# Altium PCB Archimajor.PcbDoc (part 10 of 12) (continued)
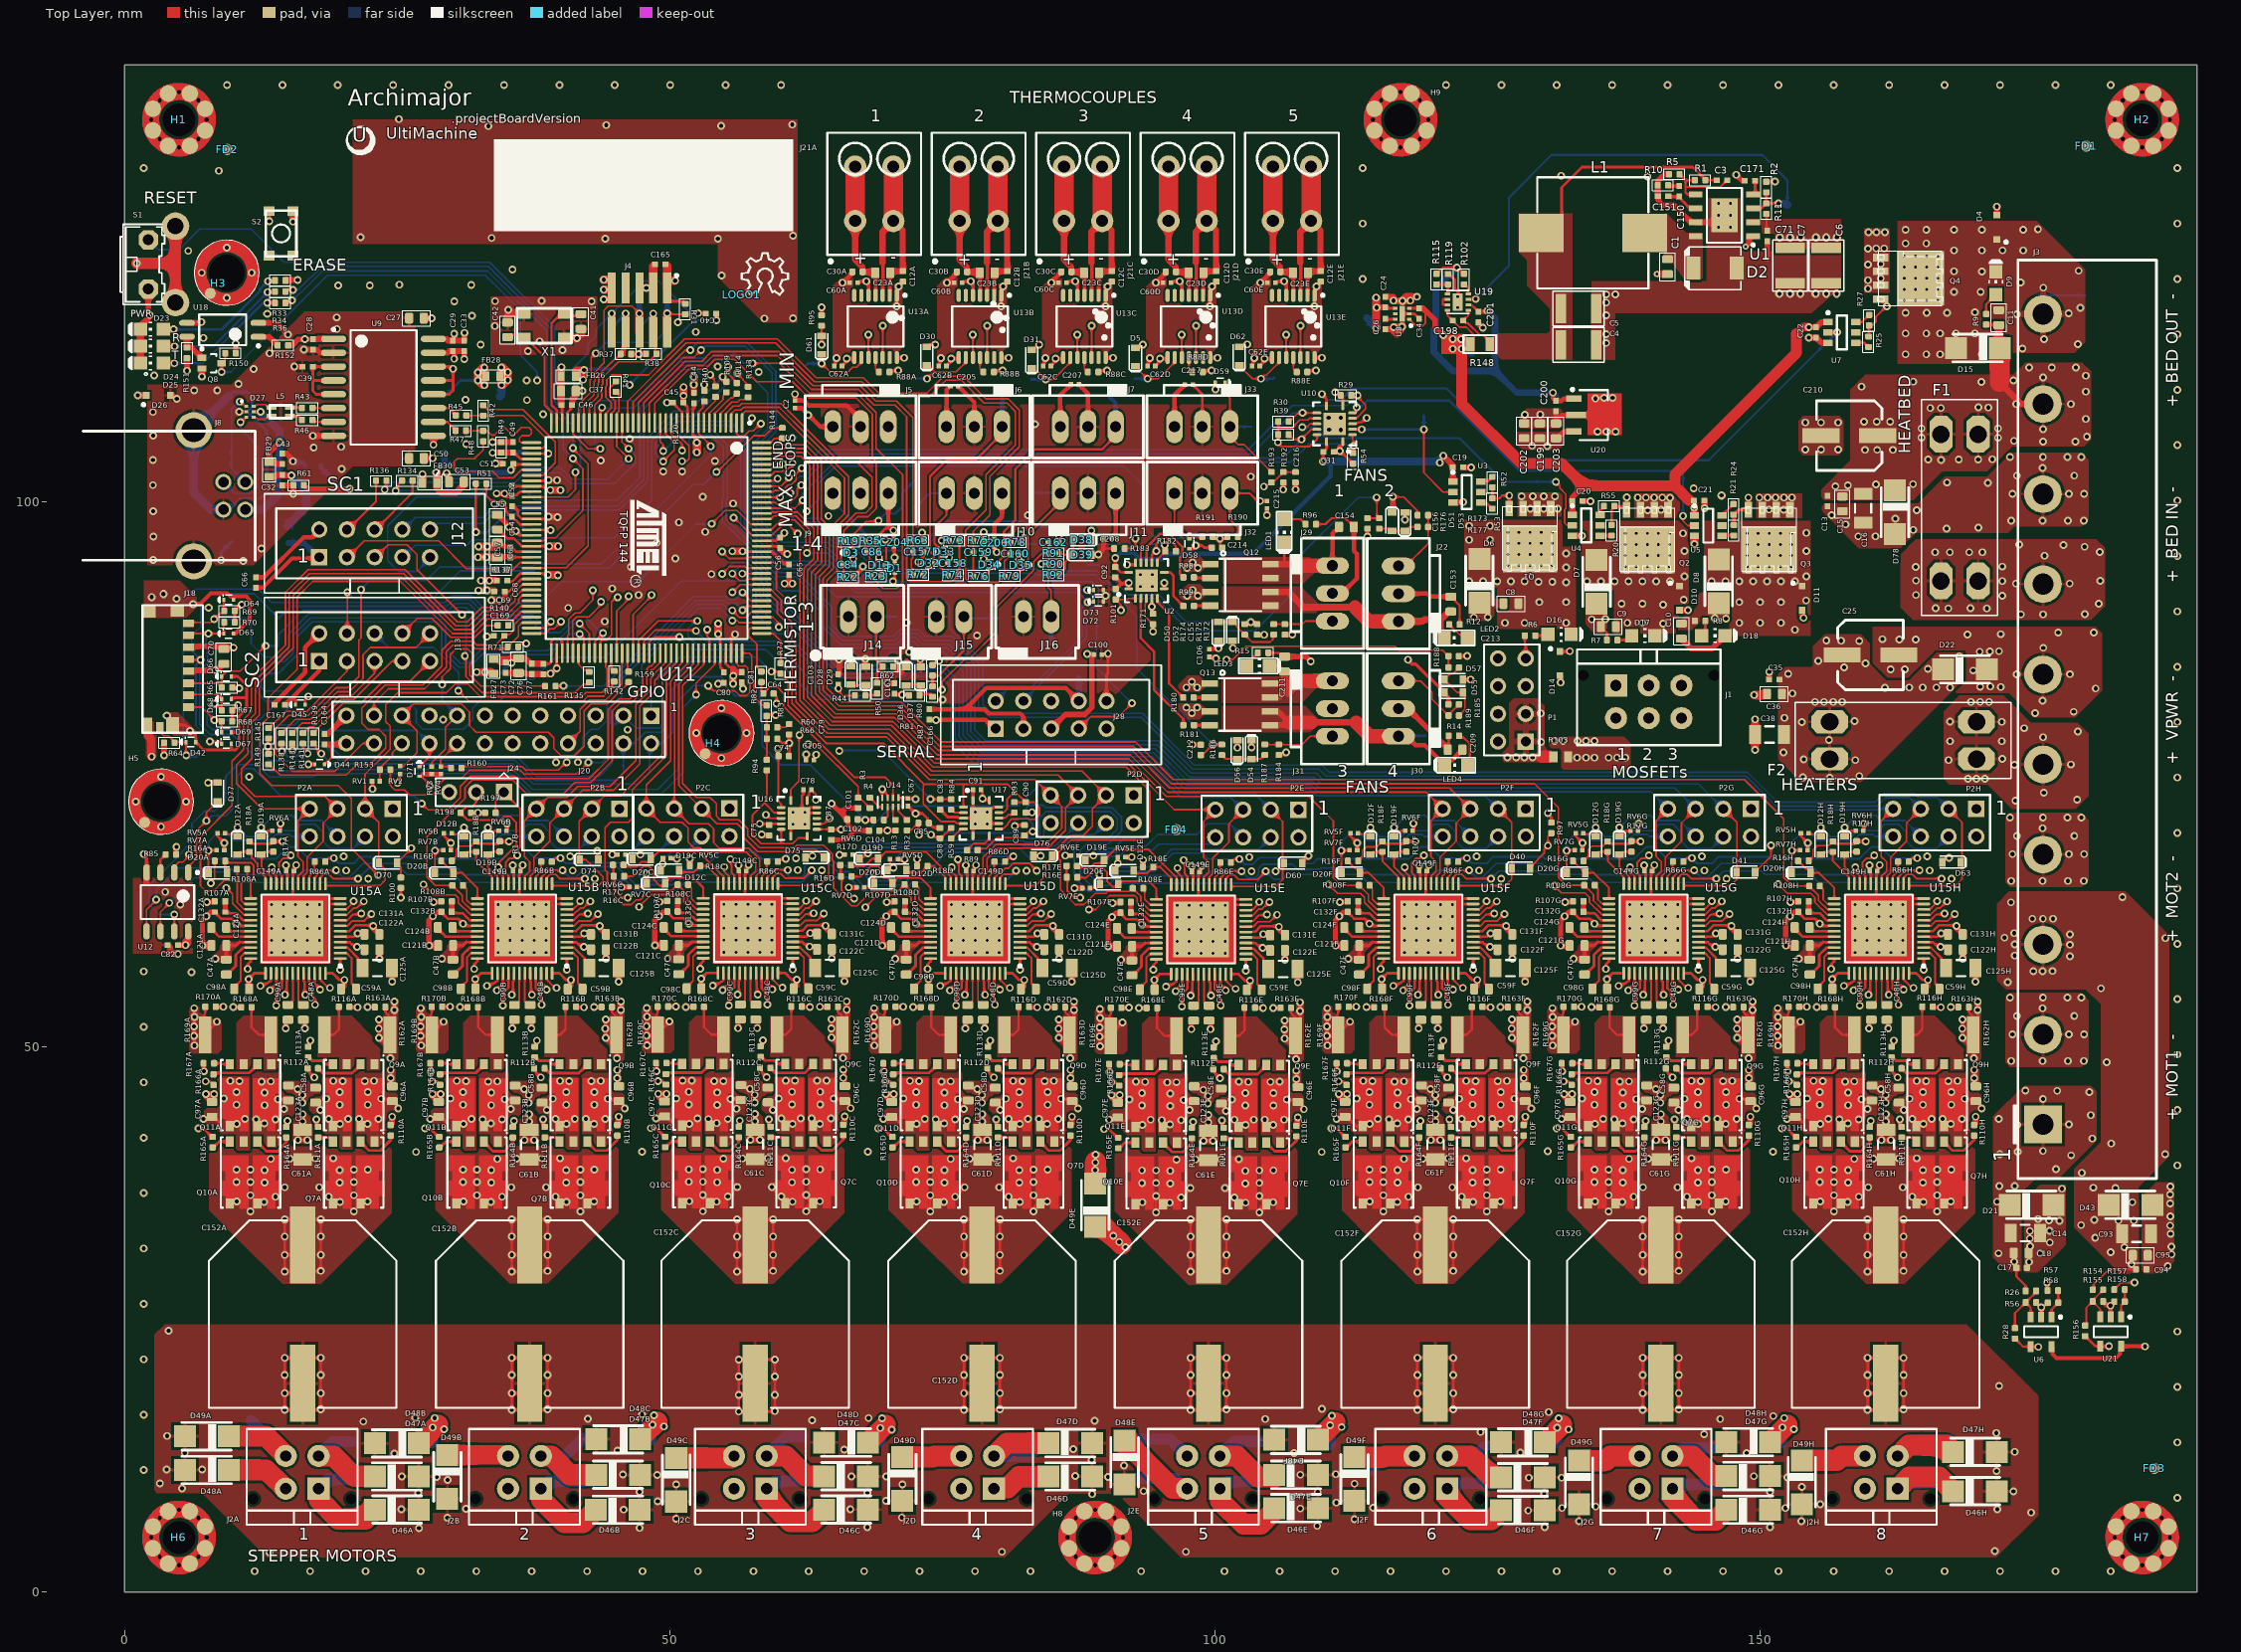
[diagram p0: Top Layer view]
## Nets (pads, with @x,y where several pads share a name; then routed paths per layer and width w, separated by ;. In a path a pad name is that pad's centre, name@x,y a point inside that pad or via, vN(x,y) a via of type N, cw(c..) or ccw(c..) an arc to the next point about the centre after c; other vN are vias at no path point) (continued)
STEP8: P2H.5 U11.16 U15H.17 | length 151.2
  Top Layer w0.152: U11.16@49.129,107.061 49.129,105.462 49.388,105.203 ; v1(49.387,104.601) 49.387,105.202 ; U15H.17@161.608,64.935 161.608,65.643 161.925,65.96 161.925,67.362 163.4,68.837 163.4,70.51 P2H.5@164.7,71.81
  Bottom Layer w0.152: v1(49.387,104.601) 49.419,104.601 51.789,106.971 55.35,106.971 56.493,105.828 56.493,97.545 58.329,95.709 58.329,95.213 59.076,94.466 59.076,94.459 60.073,93.462 61.693,93.462 64.8,90.356 64.8,88.742 65.924,87.618 70.483,87.618 71.101,88.237 72.806,88.237 73.424,87.618 75.898,87.618 78.313,85.204 78.313,81.216 79.339,80.19 93.207,80.19 97.937,75.46 109.519,75.46 110.17,74.809 148.67,74.809 151.414,72.065 160.673,72.065 161.448,72.839 163.671,72.839 P2H.5@164.7,71.81
TACH_1: C155.1 R174.1 U11.139 | length 59.7
  Top Layer w0.152: U11.139@58.429,102.888 59.231,102.888 59.327,102.984 59.386,102.984 59.477,103.074 59.902,103.074 60.287,103.459 v1(60.343,103.459) ; R174.1@102.718,88.736 103.816,88.736 103.841,88.736 C155.1@103.843,88.734
  Top Layer w0.305: v1(103.268,88.934) 103.698,88.934 103.671,88.907 103.69,88.887 103.69,88.861 103.816,88.736 103.817,88.734 C155.1@103.843,88.734
  Bottom Layer w0.152: v1(60.343,103.459) 59.743,103.459 58.74,102.457 58.74,99.843 59.874,98.709 61.013,98.709 61.983,97.74 63.503,97.74 65.05,96.192 66.936,96.192 68.995,94.134 70.9,94.134 71.851,95.084 73.218,95.084 73.868,95.734 75.568,95.734 76.368,96.534 81.703,96.534 82.153,96.084 86.493,96.084 88.402,94.176 89.318,94.176 92.053,91.44 94.862,91.44 97.368,88.934 100.328,88.934 v1(103.268,88.934)
TACH_2: C156.1 R176.1 U11.21 | length 103
  Top Layer w0.152: U11.21@46.629,107.188 46.629,109.096 51.393,113.859 v1(51.868,113.859) ; C156.1@113.968,98.459 115.038,98.459 R176.1@115.043,98.464 115.037,98.464 114.836,98.665 114.836,98.671 114.818,98.689 v1(114.818,100.359)
  Bottom Layer w0.152: v1(51.868,113.859) 52.598,114.59 57.065,114.59 59.723,111.932 59.723,106.359 58.385,105.02 58.385,98.168 60.302,96.251 64.489,96.251 64.903,95.837 66.789,95.837 68.847,93.778 83.637,93.778 83.794,93.621 89.182,93.621 91.719,91.084 94.643,91.084 97.593,88.134 103.643,88.134 106.943,91.434 106.943,94.184 113.118,100.359 v1(114.818,100.359)
TACH_3: C212.1 R186.1 U11.20 | length 86.9
  Top Layer w0.152: U11.20@47.129,107.188 47.129,109.07 51.248,113.19 52.198,113.19 v1(52.868,113.859) ; C212.1@98.693,76.734 98.874,76.916 98.999,76.916 v1(99.793,77.709) 100.614,77.709 R186.1@100.62,77.703
  Bottom Layer w0.152: v1(52.868,113.859) 53.243,114.234 56.918,114.234 59.368,111.784 59.368,106.506 58.029,105.168 58.029,98.021 60.165,95.884 62.292,95.884 62.303,95.896 64.27,95.896 64.55,95.616 64.621,95.616 66.839,93.398 67.954,93.398 67.966,93.409 83.503,93.409 83.647,93.266 89.035,93.266 92.818,89.482 92.818,84.684 v1(99.793,77.709)
TACH_4: C213.1 R188.1 U11.102 | length 84.5
  Top Layer w0.152: v1(53.418,88.234) 53.418,87.659 53.629,87.448 U11.102@53.629,86.088 U11.102@53.61,86.069 ; v1(101.043,85.484) 101.593,85.484 102.818,86.709 116.493,86.709 116.843,86.359 120.843,86.359 C213.1@121.393,85.809 121.393,84.761 R188.1@121.391,84.759
  Mid1 w0.152: v1(53.418,88.234) 53.418,87.659 58.268,82.809 58.268,77.359 59.452,76.175 66.159,76.175 68.018,78.034 74.593,78.034 79.593,83.034 96.493,83.034 98.368,84.909 100.468,84.909 v1(101.043,85.484)
TC_nCS1: D61.K TP11A.1 U11.138 U13A.9 | length 20.6
  Top Layer w0.152: U11.138@58.429,102.388 58.448,102.406 59.311,102.406 59.624,102.719 60.252,102.719 60.358,102.824 60.606,102.824 60.741,102.959 60.818,102.959 61.257,103.399 v1(61.257,103.492)
  Top Layer w0.166: D61.K@63.915,113.484 63.915,112.659 63.94,112.634 64.69,111.884 66.365,111.884 66.783,112.303 67.116,112.303 67.565,112.751 U13A.9@67.565,113.189
  Top Layer w0.257: v1(63.915,112.634) v1@63.94,112.634
  Mid1 w0.257: v1(61.257,103.492) 61.993,104.228 61.993,108.934 63.915,110.856 v1(63.915,112.634)
  Bottom Layer w0.257: TP11A.1@62.546,112.526 62.655,112.634 v1(63.915,112.634)
TC_nCS2: D30.K TP11B.1 U11.127 U13B.9 | length 37.8
  Top Layer w0.152: v1(55.843,98.509) 55.893,98.509 57.515,96.888 U11.127@58.429,96.888 58.443,96.902 59.385,96.902 60.293,97.809 60.918,97.809 61.692,97.036 v1(61.716,97.036)
  Top Layer w0.166: D30.K@73.491,112.659 73.516,112.634 74.191,111.959 ; v1(73.576,111.246) 74.21,111.88 76.27,111.88 77.141,112.751 U13B.9@77.141,113.189
  Top Layer w0.257: D30.K@73.491,112.634 D30.K@73.516,112.634
  Mid1 w0.257: v1(61.716,97.036) 62.519,97.036 63.393,97.909 63.393,108.233 65.944,110.784 73.114,110.784 v1(73.576,111.246)
  Bottom Layer w0.166: TP11B.1@72.433,111.278 72.448,111.262 73.56,111.262 v1(73.576,111.246)
TC_nCS3: D31.K TP11C.1 U11.82 U13C.9 | length 67.2
  Top Layer w0.152: U11.82@43.629,86.088 43.629,87.103 43.793,87.267 44.188,87.267 44.66,87.739 44.66,90.795 44.754,90.889 44.762,90.889 45.084,91.212 v1(45.235,91.212)
  Top Layer w0.166: D31.K@83.19,112.184 83.415,111.959 83.66,111.959 v1(84.452,111.167) 85.132,111.167 86.716,112.751 U13C.9@86.716,113.189
  Mid1 w0.152: v1(45.235,91.212) 48.058,94.034 53.368,94.034 53.518,94.184 58.018,94.184 58.893,93.309 62.343,93.309 62.668,93.634
  Mid1 w0.257: 62.668,93.634 66.218,97.184 66.218,108.384 67.443,109.609 82.895,109.609 v1(84.452,111.167)
  Bottom Layer w0.257: TP11C.1@83.171,111.179 83.182,111.167 v1(84.452,111.167)
TC_nCS4: D5.K TP11D.1 U11.85 U13D.9 | length 74.1
  Top Layer w0.152: U11.85@45.129,86.088 45.129,89.964 46.225,91.06 v1(46.225,91.31)
  Top Layer w0.166: D5.K@92.69,112.384 92.79,112.384 93.007,112.168 93.007,112.043 v1(93.804,111.246) 94.787,111.246 96.292,112.751 U13D.9@96.292,113.189
  Mid1 w0.152: v1@46.225,91.06 v1(46.225,91.31) 46.225,91.349 46.911,92.034 54.668,92.034 55.293,92.659 58.118,92.659 58.943,91.834 61.843,91.834 62.405,92.397
  Mid1 w0.257: 62.405,92.397 67.386,97.378 69.356,97.378 70.564,98.586 71.773,98.586 72.387,99.2 72.387,102.631 74.091,104.334 92.418,104.334 93.568,105.484 93.568,110.515 93.804,110.751 v1(93.804,111.246)
  Bottom Layer w0.257: TP11D.1@92.641,111.278 92.672,111.246 v1(93.804,111.246)
TC_nCS5: D62.K TP11E.1 U11.88 U13E.9 | length 83.8
  Top Layer w0.152: U11.88@46.629,86.088 46.629,89.639 48.325,91.335 v1(48.325,91.408)
  Top Layer w0.166: D62.K@102.215,112.459 103.428,111.246 v1(104.205,111.246) 104.522,111.563 104.68,111.563 105.868,112.751 U13E.9@105.868,113.189
  Mid1 w0.152: v1(48.325,91.408) 54.567,91.408 55.443,92.284 56.918,92.284 57.708,91.494 62.652,91.494
  Mid1 w0.257: 62.652,91.494 66.867,95.709 73.076,95.709 73.833,96.466 73.833,102.43 74.538,103.134 101.268,103.134 104.218,106.084 v1@104.218,111.345
  Bottom Layer w0.257: v1(104.205,111.246) 105.329,111.246 TP11E.1@105.4,111.317
TCK/SWDCLK: J4.4 R38.1 TP52.1 U11.28 | length 17.1
  Top Layer w0.152: U11.28@43.129,107.188 43.101,107.216 43.101,108.814 43.767,109.48 43.767,110.67 43.859,110.763 43.859,111.36 45.298,112.799 48.072,112.799 48.71,113.436 48.71,113.524 48.665,113.569 J4.4@48.665,116.335 ; J4.4@48.463,115.544 48.483,115.524 J4.4@48.489,115.519 ; v1@48.463,117.193 v1@48.483,117.213 ; v1@48.483,117.213 48.514,117.244 48.489,117.269 48.483,117.264 v1(48.483,117.217) v1@48.483,117.213
  Top Layer w0.61: J4.4@48.483,115.524 v1@48.483,117.213
  Bottom Layer w0.152: TP52.1@47.117,115.681 47.117,115.851 v1(48.483,117.217)
TDI: J4.8 R37.1 TP53.1 U11.29 | length 14.2
  Top Layer w0.152: U11.29@42.629,107.188 42.629,108.845 43.411,109.627 43.411,110.818 43.495,110.902 43.495,111.601 44.928,113.034 45.018,113.034 R37.1@45.623,113.64 ; R37.1@45.624,113.64 R37.1@45.763,113.5 ; J4.8@45.763,115.333 J4.8@45.949,115.519 ; R37.1@45.623,113.64 45.686,113.702 45.561,113.702 R37.1@45.623,113.64
  Top Layer w0.381: R37.1@45.763,113.5 J4.8@45.763,115.333
  Top Layer w0.61: J4.8@45.955,115.525 v1(45.955,117.225)
  Bottom Layer w0.254: TP53.1@44.577,115.681 44.577,115.847 v1(45.955,117.225)
TDO/SWO: J4.6 TP50.1 U11.30 | length 17.5
  Top Layer w0.152: U11.30@42.129,107.188 42.129,108.848 43.055,109.775 43.055,110.965 43.139,111.049 43.139,111.87 43.971,112.702 43.971,117.518 44.344,117.891 46.542,117.891 v1(47.209,117.225) v1@47.219,117.215
  Top Layer w0.762: J4.6@47.219,115.519 v1@47.219,117.215
  Bottom Layer w0.152: TP50.1@47.117,118.221 TP50.1@47.209,118.129
  Bottom Layer w0.508: v1(47.209,117.225) TP50.1@47.209,118.129
THERM_AN1: C103.1 R44.1 TP101.1 U11.90 | length 24
  Top Layer w0.152: U11.90@47.629,86.088 47.629,87.158 48.67,88.199 52.327,88.199 v1(52.4,88.126) ; v1(65.453,82.839) 65.453,82.61 65.882,82.181 66.758,82.181 R44.1@66.968,82.391
  Top Layer w0.457: C103.1@65.444,83.186 v1(65.453,82.839)
  Bottom Layer w0.152: v1(52.4,88.126) 53.365,87.161 60.816,87.161 63.968,84.009 63.968,83.884 TP101.1@64.743,83.109 65.014,82.839 v1(65.453,82.839)
THERM_AN2: C161.1 R81.1 TP9.1 U11.89 | length 33.2
  Top Layer w0.152: U11.89@47.129,86.088 47.129,87.233 48.937,89.04 v1(52.527,89.04) ; v1(71.291,82.264) 70.46,82.264 70.539,82.342 R81.1@71.843,82.342 ; R81.1@71.996,82.342 R81.1@72.006,82.332
  Bottom Layer w0.152: v1@52.375,89.04 51.675,88.341 51.675,87.635 52.509,86.801 59.851,86.801 62.357,84.295 TP9.1@62.357,84.201 64.375,82.183 70.667,82.183 70.747,82.264 v1(71.291,82.264)
THERM_AN3: C162.1 R91.1 TP10.1 U11.91 | length 49.1
  Top Layer w0.152: U11.91@48.129,86.088 48.129,87.064 48.629,87.564 v1(50.877,87.564) ; v1(74.951,82.736) 74.951,83.434 74.943,83.442 77.107,85.606 77.507,85.606 79.907,88.006 79.907,90.256 83.357,93.706 83.357,94.456 84.132,95.231 R91.1@84.702,95.231 84.702,96.226 C162.1@84.707,96.231
  Mid1 w0.152: v1(50.877,87.564) v1@50.929,87.564
  Bottom Layer w0.152: v1(50.877,87.564) 52.015,86.426 58.801,86.426 63.4,81.827 69.3,81.827 69.499,81.629 72.485,81.629 73.58,82.724 74.939,82.724 v1(74.951,82.736)
TMS/SWDIO: J4.2 R31.1 TP49.1 U11.31 | length 20.5
  Top Layer w0.152: U11.31@41.618,107.199 U11.31@41.629,107.188 41.629,108.871 42.7,109.942 42.7,111.112 42.782,111.194 42.782,113.153 v1(43.205,113.577) ; v1@49.756,117.272 49.76,117.268 v1(49.76,117.237) 49.838,117.159 R31.1@51.423,117.159 ; J4.2@49.759,115.519 J4.2@49.759,115.519
  Top Layer w0.762: J4.2@49.759,115.519 v1(49.76,117.237)
  Bottom Layer w0.152: v1(43.205,113.577) 44.205,114.577 48.563,114.577 49.76,115.774 v1(49.76,117.237) ; TP49.1@49.657,118.221 TP49.1@49.76,118.119
  Bottom Layer w0.508: v1(49.76,117.237) TP49.1@49.76,118.119
UD_N: R43.1 U9.6 | length 1.9
  Top Layer w0.152: R43.1@17.272,108.548 U9.6@19.174,108.548
UD_P: R46.1 U9.7 | length 2
  Top Layer w0.152: R46.1@17.221,107.278 U9.7@19.174,107.278
UI_N: R45.2 U9.11 | length 2.3
  Top Layer w0.203: U9.11@28.324,108.548 29.724,108.548 R45.2@30.384,107.887
UI_P: R47.2 U9.10 | length 2.4
  Top Layer w0.203: U9.10@28.324,107.278 29.597,107.278 R47.2@30.384,106.49
UMCU_N: R42.2 R45.1 U11.38 | length 10.2
  Top Layer w0.152: R45.1@31.341,107.887 31.366,107.862 R42.2@32.893,107.862 36.559,107.862 38.608,105.813 38.608,105.142 38.354,104.888 U11.38@37.329,104.888
UMCU_P: R47.1 R48.2 U11.37 | length 10.1
  Top Layer w0.152: R47.1@31.316,106.49 31.341,106.465 R48.2@32.893,106.465 33.283,106.465 33.677,106.071 33.922,106.071 34.618,106.767 34.877,106.767 35.509,106.135 35.763,106.135 36.396,106.767 37.079,106.767 37.305,106.541 37.305,106.203 37.135,106.033 36.449,106.033 36.22,105.804 36.22,105.508 36.34,105.388 U11.37@37.329,105.388
USB_GND: C27.1 C28.2 C32.2 C39.2 C43.1 C50.1 D26.A D27.2 J8.4 J8.5 J8.6 JP2.2 R61.2 TP60.1 U9.2 U9.8 U18.2 | length 47.5
  Top Layer w0.203: v1(10.516,108.213) D27.2@11.169,108.213
  Top Layer w0.508: D26.A@4.166,109.716 D26.A@4.216,109.716 4.445,109.716 v1@4.775,109.386 ; U18.2@12.279,116.361 13.937,116.361 v1(14.999,115.299) ; C43.1@14.468,104.399 14.866,104.399 15.459,103.805 v3(15.459,103.676) ; C32.2@14.492,101.48 R61.2@15.501,101.48 15.501,100.732 v1(15.475,100.706) ; v1(15.57,112.358) C39.2@16.307,112.358 ; v1(16.459,113.907) C28.2@17.272,113.907 17.662,113.907 17.662,113.881 17.916,113.628 U9.2@19.174,113.628
  Top Layer w0.559: v1(17.272,106.008) U9.8@19.174,106.008
  Bottom Layer w0.178: J8.4@9.068,99.251 9.564,99.251 10.618,100.305 12.497,100.305 ; v1(10.516,108.213) 11.235,108.213 11.303,108.213
  Bottom Layer w0.305: v3(8.862,94.598) 8.862,95.349 TP60.1@9.804,96.292 ; 9.55,109.652 9.906,110.008 11.252,110.008 11.709,109.55 11.709,108.687 11.235,108.213 ; 11.303,108.213 13.056,106.46 13.056,100.864 12.497,100.305
  Bottom Layer w0.508: v3@15.459,103.526 16.318,103.526 JP2.2@16.513,103.331
  Bottom Layer w0.813: J8.4@9.068,99.251 7.912,99.251 6.35,100.813 J8.5@6.35,106.521 6.42,106.521 9.55,109.652
  other v1: 4.801,109.411
  other v3: 10.886,94.549 2.629,94.635 12.555,95.666 2.658,96.775 2.622,99.107 2.603,101.493 19.904,102.986 2.603,103.788 17.348,104.941 19.869,105 2.625,106.016 2.608,108.193 6.39,110.174 8.502,110.19 10.45,110.763 11.85,112.151 13.297,113.571 19.481,115.806 19.471,116.866
VBED: C11.1 C13.1 C15.1 C16.2 C210.1 D15.C D78.K F1.2 J3.9 R9.2 TP43.1 | length 11.3
  Top Layer w0.254: R9.2@170.693,116.216 171.795,116.216 C11.1@171.843,116.168
  Top Layer w0.61: C11.1@171.843,116.168 171.843,114.148 D15.C@171.918,114.073 ; 171.918,110.912 173.906,108.923 J3.9@175.895,108.923
  Top Layer w1.778: 171.918,110.912 D15.C@171.918,114.073
  other v1: 156.871,101.391 158.001,101.471 160.576,101.57 163.984,101.59 166.552,103.806 165.371,103.848 168.177,103.831 169.952,103.831 171.255,103.868 159.586,104.72 160.695,104.72 162.141,104.72 175.911,105.473 178.883,105.492 173.236,105.552 171.777,105.831 164.755,105.857 179.933,105.948 175.911,106.622 164.755,106.682 171.777,106.681 159.487,107.295 160.655,107.295 161.884,107.295 179.834,107.553 165.569,108.563 166.54,108.563 169.987,108.623 170.878,108.603 173.434,108.92 178.447,108.92 179.834,110.069 159.249,110.525 170.264,110.961 164.004,110.98 173.196,111.079 175.911,111.377 179.834,111.515 174.623,112.268 176.703,112.268 178.922,112.288
VBED_IN: F1.1 J3.7 TP44.1
  other v1: 173.87,89.643 175.911,89.643 179.734,89.663 167.213,90.178 170.74,90.178 166.064,90.198 169.254,90.198 181.022,90.614 172.166,91.347 164.261,91.406 173.414,92.456 178.348,92.456 172.166,92.698 181.141,92.714 164.261,92.734 164.241,93.982 172.166,94.021 176.03,95.012 166.005,95.329 167.361,95.329 169.139,95.329 170.332,95.329 181.101,95.349 179.715,95.844 177.773,96.003 173.712,96.042
VBUS_UC: Q8.3 R150.1 TP30.1 U11.39 | length 50.1
  Top Layer w0.152: v3(8.902,111.86) Q8.3@8.902,112.664 9.237,112.999 R150.1@9.237,113.58 ; U11.39@37.329,104.388 v1(38.862,104.388)
  Mid1 w0.152: v3(37.828,111.076) 37.828,110.617 37.687,110.476 37.687,105.563 v1(38.862,104.388)
  Bottom Layer w0.152: v3(8.902,111.86) 9.74,111.86 18.614,120.734 33.081,120.734 34.744,119.072 34.745,119.07 ; 34.765,119.052 34.747,119.07 34.745,119.07 ; v3(37.828,111.076) 37.828,111.886 36.29,113.423 36.29,117.526 34.745,119.07
VDD1: C39.1 U9.3 U9.4 U9.5 | length 8.1
  Top Layer w0.254: U9.5@19.174,109.818 17.577,109.818 17.264,110.13 17.264,111.113 ; U9.4@19.174,111.088 17.29,111.088 17.264,111.113 ; U9.3@19.174,112.358 C39.1@17.264,112.358 17.264,111.113
VDDANA: C72.2 C73.1 C76.1 C77.1 FB27.2 TP27.1 U11.73 U11.75 | length 13.8
  Top Layer w0.229: C77.1@38.415,85.119 38.942,85.119 U11.73@39.116,85.293 ; U11.73@39.129,86.026 U11.73@39.129,86.088 39.129,87.137 39.39,87.399 39.868,87.399 40.129,87.137 U11.75@40.129,86.088
  Top Layer w0.508: FB27.2@33.724,85.552 FB27.2@34.154,85.552 ; 35.451,85.644 35.382,85.644 35.29,85.552 ; C72.2@36.134,85.552 36.82,85.552 ; C77.1@38.415,85.119 37.252,85.119 36.82,85.552 ; FB27.2@34.154,85.552 35.29,85.552 ; FB27.2@34.154,85.552 34.479,85.227 35.275,85.227 35.6,85.552 ; 35.29,85.552 35.6,85.552 ; 35.6,85.552 35.682,85.634 C72.2@36.134,85.634 ; 35.6,85.552 36.052,85.552 C72.2@36.134,85.634 ; C72.2@36.134,85.634 36.737,85.634 36.82,85.552
  Bottom Layer w0.254: TP27.1@34.417,84.201 35.382,85.166 35.367,85.181 v1(35.482,85.181)
VDDOUT: C44.1 C52.1 C55.2 C65.1 C68.1 C80.1 FB26.2 TP26.1 U11.10 U11.45 U11.56 U11.61 U11.104 U11.124 | length 35.4
  Top Layer w0.229: C55.2@34.29,97.435 35.115,96.61 35.687,96.61 36.409,95.888 U11.56@37.329,95.888 v1@38.776,95.888 ; C68.1@35.171,92.634 35.535,92.634 36.288,93.388 U11.61@37.329,93.388 v3@38.688,93.388 ; C52.1@35.535,101.385 36.01,101.385 36.007,101.388 U11.45@37.329,101.388 38.358,101.388 38.615,101.131 39.011,101.131 v3@39.075,101.195 ; v1(38.948,95.887) v1@38.775,95.887 ; v1@38.953,95.882 v1@38.961,95.89 ; 52.129,106.085 U11.10@52.129,107.188 52.129,108.48 ; v1@54.629,87.85 U11.104@54.629,86.088 54.629,84.809 C80.1@54.966,84.473 ; v1@56.682,95.388 59.386,95.388 ; v1@38.775,95.887 v1@38.776,95.888
  Top Layer w0.305: v3@38.688,93.388 v3(38.816,93.26) ; 52.129,106.085 52.324,105.89 52.324,105.545 v1@52.48,105.389 ; 52.129,108.48 52.222,108.574 C44.1@52.222,108.999 ; C80.1@54.966,84.308 C80.1@54.966,84.473 ; v1(56.672,95.423) v1@56.682,95.413 ; 59.386,95.388 60.473,94.301 60.851,94.301 C65.1@60.943,94.209
  Top Layer w0.66: v3(39.039,101.032) v3(39.975,101.034) ; v1@41.878,111.406 42.061,111.224 42.061,111.963 42.083,111.986 v1(42.14,112.043)
  Top Layer w0.711: v3@38.816,93.253 v3@39.741,93.253 ; v3(55.725,95.421) 55.727,95.423 v1(56.672,95.423)
  Top Layer w0.762: v1@38.961,95.89 v3(39.744,95.89) ; 41.4,111.986 v1@42.083,111.986 ; FB26.2@41.445,111.469 41.507,111.406 v1@41.878,111.406 ; v3(52.48,104.5) v1@52.48,105.389 ; v1@54.429,87.847 v3(54.429,88.781)
  Bottom Layer w0.254: v1(42.14,112.043) 42.239,112.141 TP26.1@44.577,112.141
  other v1: 54.432,87.847 52.48,105.39 42.061,111.151
  other v3: 39.726,93.218
VDDPLL: C37.2 C46.1 FB26.1 U11.34 | length 5.2
  Top Layer w0.229: U11.34@40.129,107.188 C46.1@40.129,108.863
  Top Layer w0.305: C46.1@40.03,108.962 C46.1@40.129,108.863
  Top Layer w0.635: C46.1@40.026,108.915 40.026,110.111 FB26.1@40.026,111.469 40.026,112.251 v3(40.081,112.307)
VDDUTMI: C51.1 C53.2 FB30.2 TP29.1 U11.41 | length 15.7
  Top Layer w0.203: v1@35.433,102.856 v1(35.433,102.87) ; C51.1@35.654,103.468 C51.1@35.734,103.388
  Top Layer w0.229: C51.1@35.734,103.388 U11.41@37.329,103.388
  Top Layer w0.508: v1@35.433,102.856 35.654,103.077 C51.1@35.654,103.468
  Top Layer w0.584: v1@28.662,102.675 FB30.2@28.662,101.691 28.662,101.181 29.06,100.783 30.424,100.783 31.108,101.466 C53.2@31.108,101.778
  Bottom Layer w0.508: v1@28.56,102.651 28.56,102.776 29.195,103.412 ; TP29.1@29.337,104.521 29.337,103.554 29.476,103.415 29.887,103.415 30.661,102.642 35.166,102.642 35.394,102.87 v1(35.433,102.87)
  other v1: 28.581,102.655
VFAN: C153.1 C154.1 C209.1 C211.1 J22.2 J29.2 J30.2 J31.2 P1.1 P1.3 R12.2 R14.2 R15.2 R96.2 R103.2 TP1.TP | length 33.2
  Top Layer w0.203: R15.2@104.875,86.109 105.868,86.109 106.213,85.764 C211.1@106.368,85.764 ; R96.2@109.25,97.909 110.118,97.909 110.673,98.464 111.918,98.464 112.353,98.029 112.458,98.029 112.723,97.764 C154.1@112.723,97.659 ; C209.1@121.313,77.234 121.405,77.327 R14.2@121.405,78.509 ; C153.1@121.723,91.264 121.988,91 121.988,90.895 122.425,90.457 R12.2@122.425,88.709
  Top Layer w0.406: J29.2@110.75,91.56 111.618,91.56 112.993,92.934 112.993,95.184 112.723,95.454 C154.1@112.723,97.659 ; J22.2@116.8,91.535 119.467,91.535 119.738,91.264 C153.1@121.618,91.264 C153.1@121.723,91.264
  Top Layer w0.508: C211.1@106.368,85.764 108.338,85.764 v1(108.768,85.334) ; J30.2@116.8,81 117.677,81 121.197,77.48 121.197,77.35 C209.1@121.313,77.234 ; 130.643,76.584 R103.2@131.013,76.584
  Top Layer w0.61: v1(129.093,76.534) 129.112,76.554 129.184,76.554 129.215,76.584 129.918,76.584
  Top Layer w1.118: 129.918,76.584 130.643,76.584
  other v1: 126.793,76.534 127.593,76.534 128.343,76.534 129.868,77.934 129.843,80.559
VMOT1: C47A.2 C47B.2 C47C.2 C47D.2 C61A.2 C61B.2 C61C.2 C61D.2 C93.2 C94.1 C95.1 C121A.2 C121B.2 C121C.2 C121D.2 C122A.2 C122B.2 C122C.2 C122D.2 C152A.1 C152B.1 C152C.1 C152D.1 D43.K J3.3 Q7A.5 Q7A.7 Q7B.5 Q7B.7 Q7C.5 Q7C.7 Q7D.5 Q7D.7 Q10A.5 Q10A.7 Q10B.5 Q10B.7 Q10C.5 Q10C.7 Q10D.5 Q10D.7 R154.1 TP79.1 U15A.4 U15A.33 U15B.4 U15B.33 U15C.4 U15C.33 U15D.4 U15D.33 | length 164.1
  Top Layer w0.203: C152A.1@16.345,31.822 15.435,30.913 v1(14.695,30.913) ; C152B.1@36.246,30.913 v1(35.506,30.913) ; Q10C.5@51.135,35.65 51.32,35.834 v1(51.784,35.834) ; v1(53.034,34.909) v1@53.034,36.391 ; v1(53.034,36.409) v1@53.034,36.391 ; v1(54.909,39.737) 54.872,39.701 54.872,39.246 v1(54.334,38.708) 53.085,38.708 v1(53.034,38.759) 51.751,38.759 v1(51.747,38.755) v1(51.747,37.605) 53.029,37.605 v1(53.034,37.609) 54.282,37.609 v1(54.334,37.558) 55.76,37.558 v1(56.184,37.134) 56.184,37.125 v1(55.322,36.262) 54.772,36.262 v1(54.297,35.787) 53.813,35.787 Q10C.7@53.675,35.65 53.675,35.75 v1@53.034,36.391 ; v1(56.658,39.759) 57.739,39.759 C61C.2@57.815,39.683 57.916,39.784 v1(58.983,39.784) ; C152C.1@57.823,31.822 56.914,30.913 v1(56.174,30.913) ; Q7C.5@60.596,35.65 60.596,35.75 60.22,36.126 v1(60.22,36.262) 60.22,36.272 v1(59.358,37.134) 59.781,37.558 v1(61.208,37.558) 61.259,37.609 v1(62.508,37.609) 63.46,38.562 63.465,38.562 63.658,38.755 v1(63.795,38.755) 63.79,38.759 v1(62.508,38.759) 62.456,38.708 v1(61.208,38.708) 61.195,38.721 61.195,39.222 v1(60.633,39.784) ; Q10D.5@71.977,35.625 72.162,35.81 v1(72.626,35.81) ; v1(73.876,34.885) v1@73.876,36.367 ; v1(73.876,36.385) v1@73.876,36.367 ; v1(75.751,39.713) 75.715,39.677 75.715,39.222 v1(75.176,38.683) 73.928,38.683 v1(73.876,38.735) 72.593,38.735 v1(72.589,38.73) v1(72.589,37.58) 73.871,37.58 v1(73.876,37.585) 75.124,37.585 v1(75.176,37.533) 76.603,37.533 v1(77.026,37.11) 77.026,37.1 v1(76.164,36.238) 75.614,36.238 v1(75.139,35.763) 74.655,35.763 Q10D.7@74.517,35.625 74.517,35.725 v1@73.876,36.367 ; v1(77.5,39.735) 78.581,39.735 C61D.2@78.657,39.659 78.758,39.76 v1(79.825,39.76) ; C152D.1@78.622,31.822 77.713,30.913 v1(76.972,30.913) ; Q7D.5@81.439,35.625 81.439,35.725 81.062,36.102 v1(81.062,36.238) 81.062,36.248 v1(80.2,37.11) 80.623,37.533 v1(82.05,37.533) 82.102,37.585 v1(83.35,37.585) 84.303,38.538 84.307,38.538 84.5,38.73 v1(84.637,38.73) 84.633,38.735 v1(83.35,38.735) 83.298,38.683 v1(82.05,38.683) 82.037,38.696 82.037,39.198 v1(81.475,39.76) ; R154.1@180.457,27.707 180.536,27.786 180.536,28.17 181.947,29.581 C94.1@184.424,29.581 ; v1(14.695,30.913) v1(14.695,32.588) 14.695,34.163 16.394,34.163 v1(17.995,34.163) 17.995,32.588 17.995,30.913 17.995,29.387 16.444,29.387 v1(14.695,29.387) v1(14.695,30.913) ; v1(35.506,30.913) v1(35.506,32.588) 35.506,34.163 37.205,34.163 37.842,34.163 v1(38.806,34.163) v1(38.805,32.588) v1(38.805,30.913) 38.806,29.387 37.255,29.387 v1(35.506,29.387) v1(35.506,30.913) ; v1(56.174,30.913) v1(56.174,32.588) 56.174,34.163 57.873,34.163 v1(59.474,34.163) v1(59.473,32.588) v1(59.473,30.913) 59.474,29.387 57.923,29.387 v1(56.174,29.387) v1(56.174,30.913) ; v1(76.972,30.913) v1(76.972,32.588) v1(76.972,34.163) 78.672,34.163 v1(80.272,34.163) v1(80.272,32.588) v1(80.272,30.913) 80.272,29.387 78.722,29.387 v1(76.972,29.387) v1(76.972,30.913)
  Top Layer w0.229: 10.547,59.585 U15A.33@11.582,59.585 ; U15A.4@19.782,59.585 20.652,59.585 20.837,59.4 v1(21.337,59.15) ; 31.322,59.585 U15B.33@32.357,59.585 ; U15B.4@40.557,59.585 41.427,59.585 41.612,59.4 v1(42.112,59.15) ; 52.03,59.61 U15C.33@53.065,59.61 ; U15C.4@61.265,59.61 62.135,59.61 62.32,59.425 v1(62.82,59.175) ; 72.872,59.585 U15D.33@73.907,59.585 ; U15D.4@82.107,59.585 82.977,59.585 83.162,59.4 v1(83.662,59.15)
  Top Layer w0.305: C47A.2@9.337,57.98 9.342,57.985 C121A.2@9.342,59.275 10.237,59.275 10.547,59.585 ; C47B.2@30.112,57.98 30.117,57.985 C121B.2@30.117,59.275 31.012,59.275 31.322,59.585 ; C47C.2@50.82,58.005 50.825,58.01 C121C.2@50.825,59.3 51.72,59.3 52.03,59.61 ; C47D.2@71.662,57.98 71.667,57.985 C121D.2@71.667,59.275 72.562,59.275 72.872,59.585
  Top Layer w0.508: Q10A.5@9.652,35.625 Q10A.5@9.736,35.709 ; Q7A.5@19.114,35.625 19.119,35.631 Q7A.5@19.119,35.604 ; Q10B.5@30.427,35.625 Q10B.5@30.511,35.709 ; Q7B.5@39.889,35.625 39.894,35.631 Q7B.5@39.894,35.604 ; Q7C.5@60.596,35.65 Q7C.5@60.602,35.655 ; Q7C.5@60.602,35.629 Q7C.5@60.602,35.655 ; v1(61.245,35.787) 61.206,35.749 60.695,35.749 Q7C.5@60.602,35.655 ; v1(62.508,34.909) 62.547,34.948 62.547,35.06 62.915,35.429 63.015,35.429 63.136,35.55 Q7C.7@63.136,35.65 ; v1(62.508,36.409) 63.015,35.902 63.015,35.771 Q7C.7@63.136,35.65 ; v1(63.758,35.834) 63.719,35.795 63.257,35.795 63.136,35.674 Q7C.7@63.136,35.65 ; Q7D.5@81.439,35.625 Q7D.5@81.444,35.631 ; Q7D.5@81.444,35.604 Q7D.5@81.444,35.631 ; v1(82.087,35.763) 82.048,35.724 81.537,35.724 Q7D.5@81.444,35.631 ; v1(83.35,34.885) 83.389,34.924 83.389,35.036 83.758,35.404 83.858,35.404 83.979,35.525 Q7D.7@83.979,35.625 ; v1(83.35,36.385) 83.858,35.877 83.858,35.746 Q7D.7@83.979,35.625 ; v1(84.6,35.81) 84.561,35.771 84.1,35.771 83.979,35.65 Q7D.7@83.979,35.625
  other v1: 17.994,29.438 38.805,29.438 59.473,29.438 80.272,29.438 184.008,30.057 17.994,30.913 182.106,31.166 183.354,31.602 180.679,32.474 17.994,32.588 179.398,33.634 182.819,34.059 184.226,34.059 180.6,34.118 14.694,34.163 35.505,34.163 56.173,34.163 11.551,34.885 21.025,34.885 41.8,34.885 184.087,35.743 12.814,35.763 19.762,35.763 33.589,35.763 40.537,35.763 10.301,35.81 22.275,35.81 31.076,35.81 43.05,35.81 13.839,36.238 18.737,36.238 34.614,36.238 39.512,36.238 11.551,36.385 21.025,36.385 32.326,36.385 41.8,36.385 180.521,37.07 182.542,37.05 14.701,37.11 17.875,37.11 35.476,37.11 38.65,37.11 12.851,37.533 19.725,37.533 33.626,37.533 40.5,37.533 10.264,37.58 31.039,37.58 11.551,37.585 21.025,37.585 32.326,37.585 41.8,37.585 179.457,38.429 12.851,38.683 19.725,38.683 33.626,38.683 40.5,38.683 10.264,38.73 11.551,38.735 21.025,38.735 22.312,38.73 31.039,38.73 32.326,38.735 41.8,38.735 43.087,38.73 13.426,39.713 34.201,39.713 15.175,39.735 35.95,39.735 17.5,39.76 19.15,39.76 38.275,39.76 39.925,39.76 187.105,40.153 182.152,41.123 181.755,48.573 181.22,55.348 172.681,55.903 175.019,56.913 175.871,56.913 176.782,56.933 8.331,58.052 29.106,58.052 70.656,58.052 49.814,58.077 178.367,58.3 173.296,58.36 173.315,59.37 178.367,59.35 187.124,59.945 172.364,60.004 178.367,60.282 173.256,60.4 174.92,61.728 175.891,61.728 176.822,61.728 172.959,63.233 183.182,63.709